# Altium PCB 1166V10.PcbDoc (part 1 of 6) (continued)
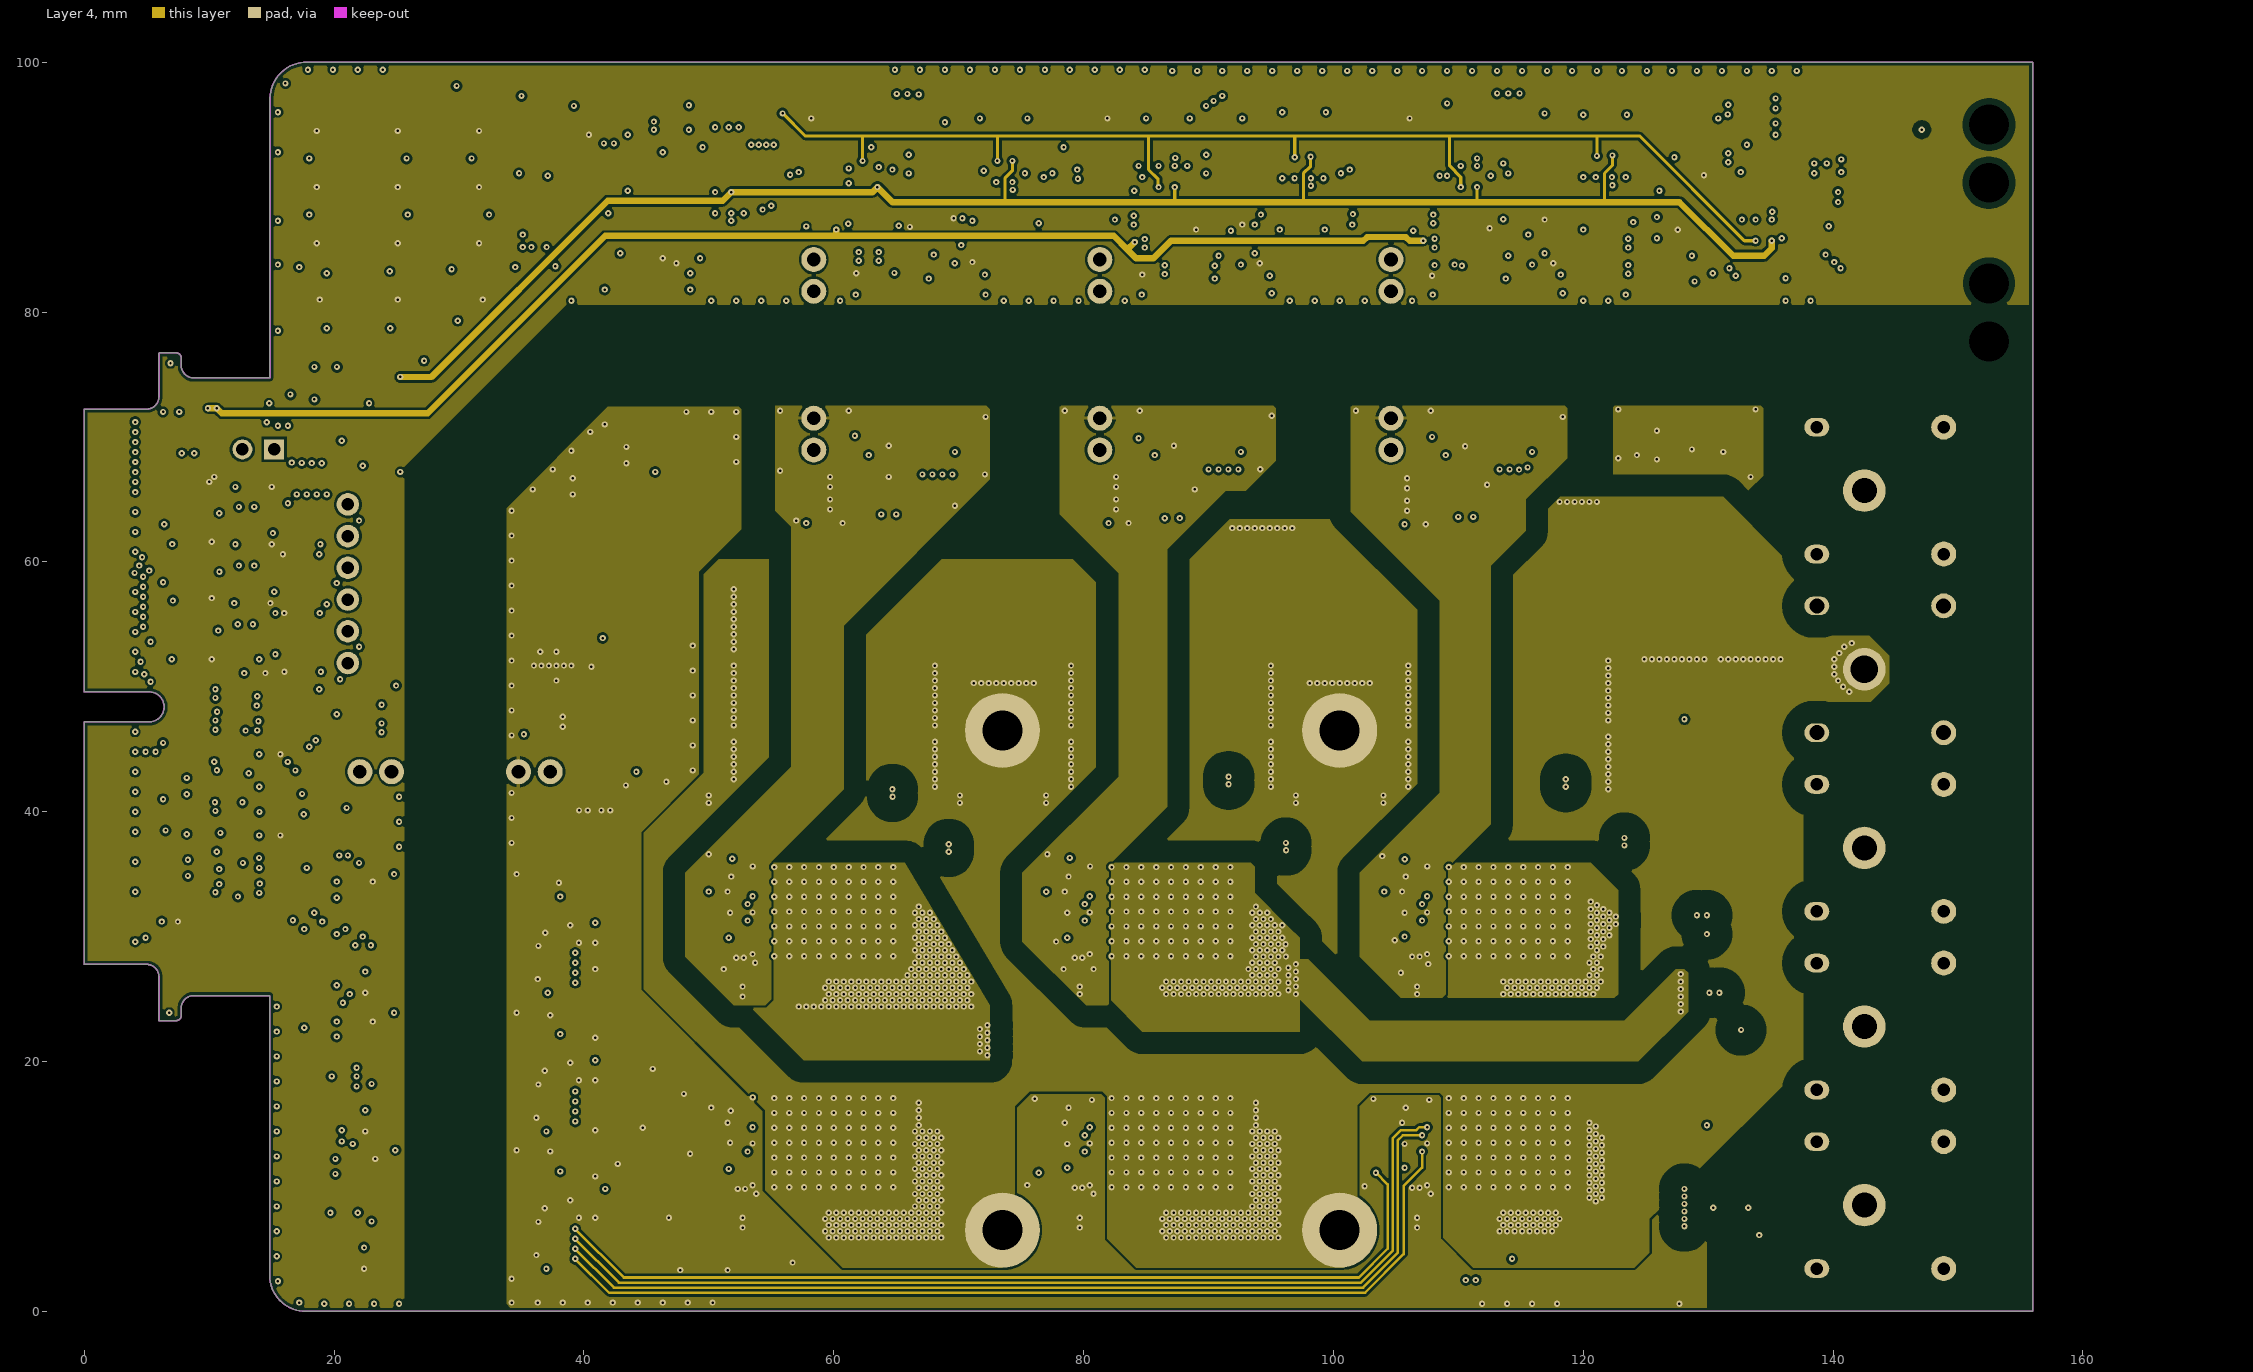
[diagram p5: Layer 4]
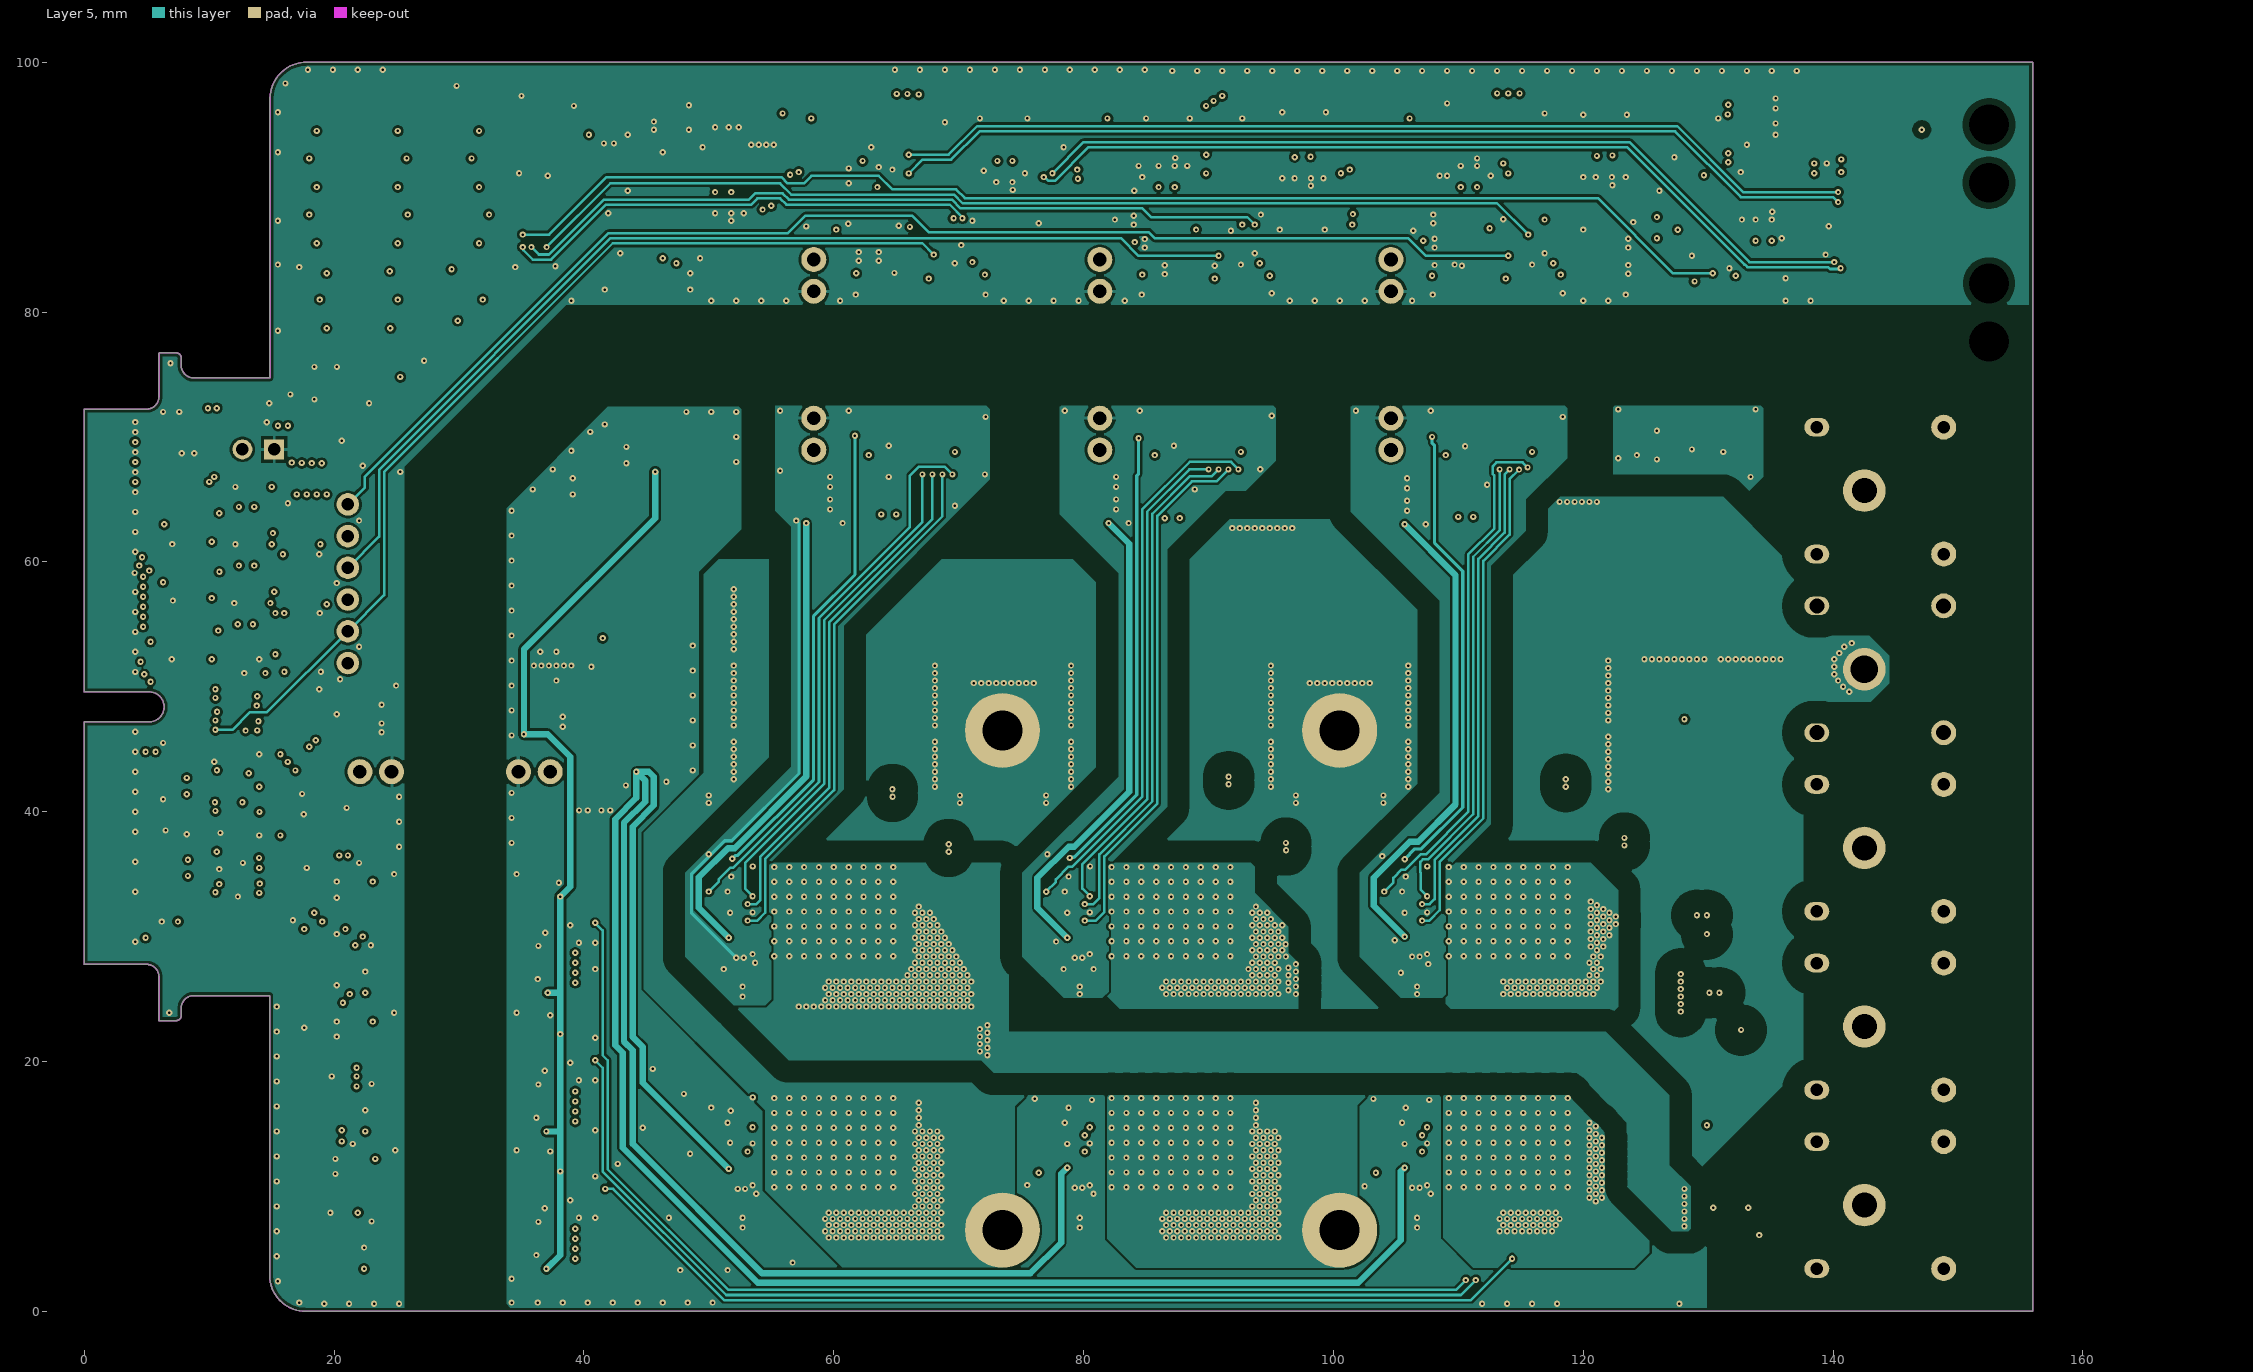
[diagram p6: Layer 5]
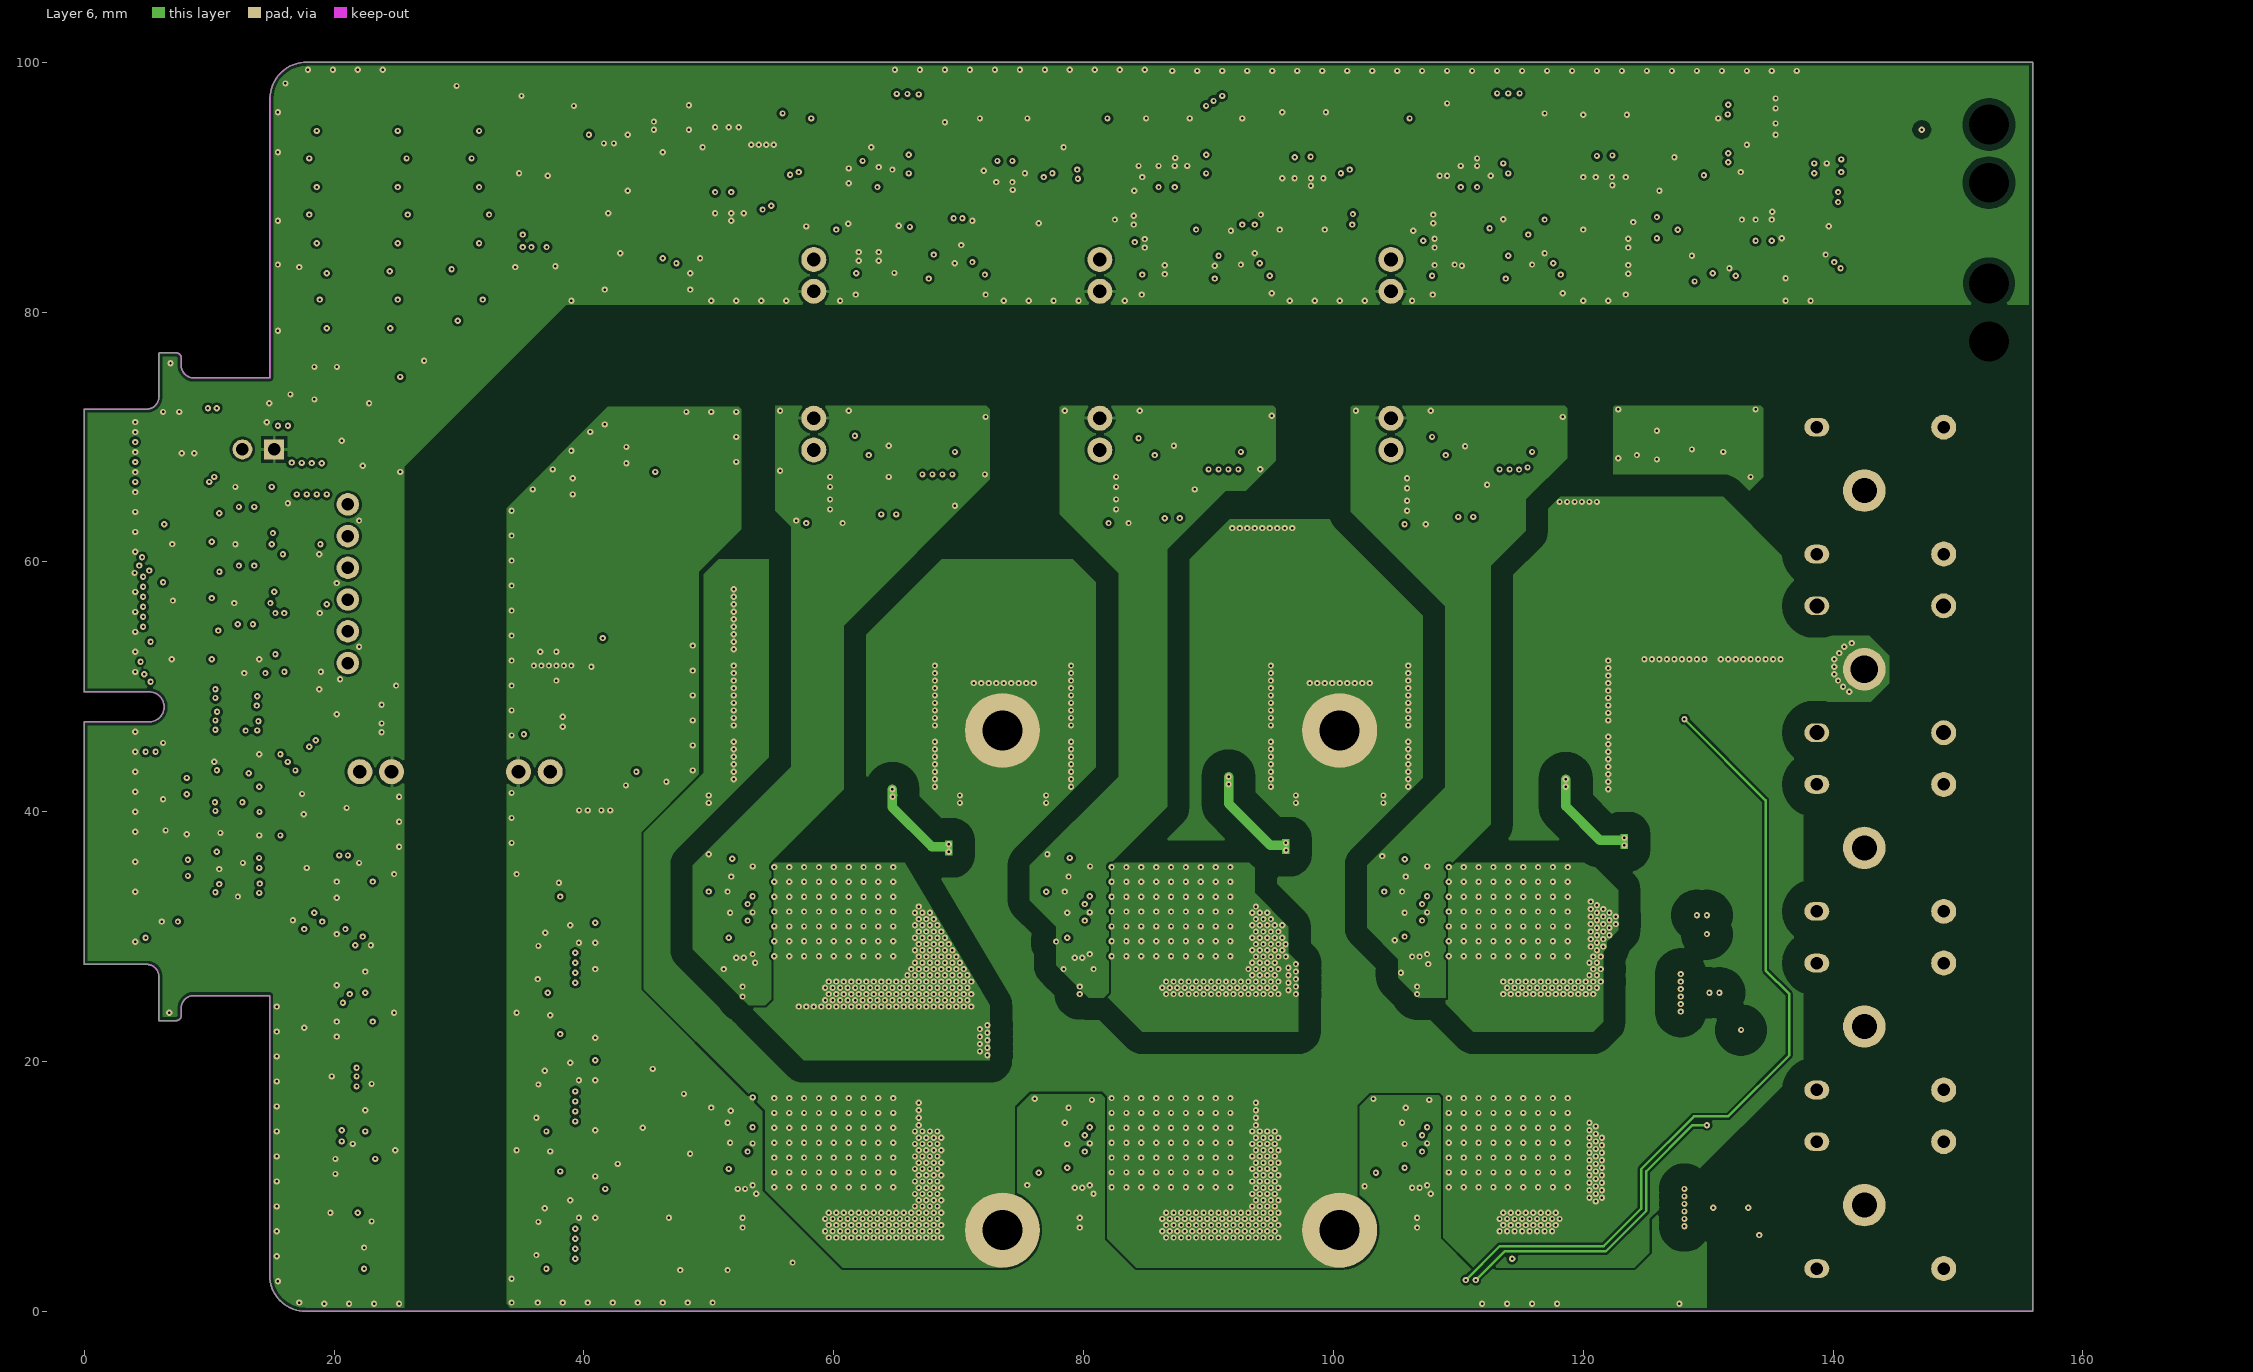
[diagram p7: Layer 6]

## Layer stack, top to bottom
Top Solder: solder mask 0.01, Solder Resist, Dk 3.5
Top Layer: signal copper 0.036
Dielectric 7: prepreg 0.2083, PP-022, Dk 4.5
Layer 1: signal copper 0.035
Dielectric 4: prepreg 0.1803, PP-021, Dk 4.7
Layer 2: signal copper 0.035
Dielectric 1: prepreg 0.1803, PP-021, Dk 4.7
Layer 3: signal copper 0.035
Dielectric 2: prepreg 0.1803, PP-021, Dk 4.7
Layer 4: signal copper 0.035
Dielectric 3: prepreg 0.1803, PP-021, Dk 4.7
Layer 5: signal copper 0.035
Dielectric 5: prepreg 0.1803, PP-021, Dk 4.7
Layer 6: signal copper 0.035
Dielectric 6: prepreg 0.2083, PP-022, Dk 4.5
Bottom Layer: signal copper 0.036
Bottom Solder: solder mask 0.01, Solder Resist, Dk 3.5

## Board outline
0,27.775 4.978,27.775 cw(c4.978,26.775) 5.978,26.775 5.978,23.279 5.982,23.275 7.358,23.275 ccw(c7.358,23.675) 7.758,23.675 7.758,24.275 cw(c8.758,24.275) 8.758,25.275 8.771,25.266 14.831,25.266 14.831,2.9 ccw(c17.731,2.9) 17.731,0 155.972,0 155.972,100 17.831,100 ccw(c17.797,97.066) 14.862,97.1 14.862,74.747 14.822,74.725 8.758,74.725 cw(c8.758,75.725) 7.758,75.725 7.758,76.325 ccw(c7.358,76.325) 7.358,76.725 6,76.725 5.978,76.703 5.978,73.225 cw(c4.978,73.225) 4.978,72.225 0,72.225 -0.009,72.216 -0.009,49.591 5.191,49.591 cw(c5.191,48.391) 5.191,47.191 -0.009,47.191 -0.009,27.784

## Design rules (kind name [scope] priority, off if disabled: settings)
Clearance Clearance_H3_Midlayer [InNetClass('H3') or OnLayer('Layer*') vs not (InNetClass('H3') or InComponent('IC401') or InComponent('IC402') or OnLayer('Keep-Out Layer') or OnLayer('Top Layer') or OnLayer('Bottom Layer'))] p1: gap=1.8 ignorepadtopadclearanceinfootprint=FALSE
Clearance Clearance_H3 [InNetClass('H3') vs not (InNetClass('H3') or InComponent('IC401') or InComponent('IC402') or OnLayer('Keep-Out Layer'))] p2: gap=2.7 ignorepadtopadclearanceinfootprint=FALSE
Clearance Clearance_H2_Midlayer [InNetClass('H2') or OnLayer('Layer*') vs not (InNetClass('H2') or InComponent('IC301')  or InComponent('IC302') or OnLayer('Keep-Out Layer') or OnLayer('Top Layer') or OnLayer('Bottom Layer'))] p3: gap=1.8 ignorepadtopadclearanceinfootprint=FALSE
Clearance Clearance_H2 [InNetClass('H2') vs not (InNetClass('H2') or InComponent('IC301')  or InComponent('IC302') or OnLayer('Keep-Out Layer'))] p4: gap=2.7 ignorepadtopadclearanceinfootprint=FALSE
Clearance Clearance_H1_Midlayer [InNetClass('H1') or OnLayer('Layer*') vs not (InNetClass('H1') or InComponent('IC201') or InComponent('IC202') or OnLayer('Keep-Out Layer') or OnLayer('Top Layer') or OnLayer('Bottom Layer'))] p5: gap=1.8 ignorepadtopadclearanceinfootprint=FALSE
Clearance Clearance_H1 [InNetClass('H1') vs not (InNetClass('H1') or InComponent('IC201') or InComponent('IC202') or OnLayer('Keep-Out Layer'))] p6: gap=2.7 ignorepadtopadclearanceinfootprint=FALSE
Clearance Clearance_L_Midlayer [InNetClass('L') or OnLayer('Layer*') vs not (InNetClass('L') or InComponent('IC204') or InComponent('IC303') or InComponent('IC403') or OnLayer('Keep-Out Layer') or OnLayer('Top Layer') or OnLayer('Bottom Layer'))] p7: gap=1.8 ignorepadtopadclearanceinfootprint=FALSE
Clearance Clearance_L [InNetClass('L') vs not (InNetClass('L') or InComponent('IC204') or InComponent('IC303') or InComponent('IC403') or OnLayer('Keep-Out Layer'))] p8: gap=2.7 ignorepadtopadclearanceinfootprint=FALSE
Clearance Clearance_IC [InComponent('IC102') or InComponent('IC106') or InComponent('IC110')] p9: gap=0.2 ignorepadtopadclearanceinfootprint=FALSE
Clearance Clearance_24V [InNetClass('24V')] p10: gap=0.381 ignorepadtopadclearanceinfootprint=FALSE
Clearance Clearance_FE [InNet('FE*') vs not (OnLayer('Keep-Out Layer') or inComponent('J101'))] p11: gap=0.5 ignorepadtopadclearanceinfootprint=FALSE
Clearance Clearance_KeepOUT [(IsKeepOut)] p12: gap=0.229 ignorepadtopadclearanceinfootprint=FALSE
Clearance [All] p13: gap=0.203 ignorepadtopadclearanceinfootprint=FALSE
ComponentClearance [All] p1: gap=-2 collisioncheckmode=3 verticalgap=-0.254 showdistances=FALSE
DiffPairsRouting [All] p1: maxlimit=0.203 minlimit=0.203 mostfreqgap=0.203 toplayer_minwidth=0.203 toplayer_maxwidth=0.381 toplayer_prefwidth=0.381 midlayer1_minwidth=0.203 midlayer1_maxwidth=0.381 midlayer1_prefwidth=0.381 midlayer2_minwidth=0.203 midlayer2_maxwidth=0.381 midlayer2_prefwidth=0.381 midlayer3_minwidth=0.203 midlayer3_maxwidth=0.381 midlayer3_prefwidth=0.381 midlayer4_minwidth=0.203 midlayer4_maxwidth=0.381 midlayer4_prefwidth=0.381 midlayer5_minwidth=0.203 midlayer5_maxwidth=0.381 midlayer5_prefwidth=0.381 midlayer6_minwidth=0.203 midlayer6_maxwidth=0.381 midlayer6_prefwidth=0.381 bottomlayer_minwidth=0.203 bottomlayer_maxwidth=0.381 bottomlayer_prefwidth=0.381 maxuncoupledlength=12.7
FabricationTestPointUsage TestPointUsage [All] p1: valid=0 allowmultiple=FALSE
FabricationTestpoint Testpoint [All] p1: side=3 testpointundercomponent=TRUE minsize=1.016 maxsize=2.54 preferedsize=1.524 minholesize=0 maxholesize=1.016 preferedholesize=0.813 testpointgrid=0.025 allowsidetop=TRUE allowsidebottom=TRUE usegrid=TRUE gridtolerance=0
Height [All] p1: minheight=0 maxheight=50.8 prefheight=12.7
HoleSize [All] p1: absolutevalues=TRUE maxlimit=25.4 minlimit=0.025 maxpercent=80.000 minpercent=20.000
PlaneConnect [All] p1: planeconnectstyle=Relief reliefexpansion=0.508 reliefentries=4 reliefconductorwidth=0.762 reliefairgap=0.254
PolygonConnect PolygonConnect_direct [InComponent('Q20*') or InComponent('Q30*') or InComponent('Q40*') or InComponent('C521') or InComponent('C522') or InComponent('C523') or InComponent('C524') or InComponent('C525') or InComponent('C526') or InComponent('C527') or InComponent('C402') or InComponent('C403') or InComponent('C404') or InComponent('C405') or InComponent('C302') or InComponent('C303') or InComponent('C304') or InComponent('C305') or InComponent('C202') or InComponent('C203') or InComponent('C204') or InComponent('C205') or InComponent('J50*') or InComponent('R518') or InComponent('J201') or InComponent('R211') or InComponent('J301') or InComponent('R311') or InComponent('J401') or InComponent('R411')  or InComponent('JX10*') or InComponent('R220')  or InComponent('R320')] p1: connectstyle=Direct reliefconductorwidth=0.254 reliefentries=4 polygonreliefangle="90 Angle" airgapwidth=0.254
PolygonConnect PolygonConnect_via [(IsVia)] p2: connectstyle=Direct reliefconductorwidth=0.254 reliefentries=4 polygonreliefangle="90 Angle" airgapwidth=0.254
PolygonConnect [All] p3: connectstyle=Relief reliefconductorwidth=0.254 reliefentries=4 polygonreliefangle="90 Angle" airgapwidth=0.254
RoutingVias [All] p1: holewidth=0.2 width=0.5 viastyle="Through Hole" minholewidth=0.2 minwidth=0.5 maxholewidth=5 maxwidth=5
SilkToSolderMaskClearance SilkscreenOverComponentPads [IsPad] p1: minsilkscreentomaskgap=0.254 clearancetoexposedcopper=TRUE
SolderMaskExpansion SolderMaskExpansion_via [(IsVia)] p1: expansion=-1.016 istentingtop=FALSE
SolderMaskExpansion [All] p2: expansion=0.102 istentingtop=FALSE
Width Width_Trackend [All] p1 off: maxlimit=50.8 minlimit=0.203 preferedwidth=0.203 checkconnectedcopper=TRUE
Width Width_Logo [incomponent('King*')] p2: maxlimit=0.254 minlimit=0.025 preferedwidth=0.254
Width [All] p3: maxlimit=25.4 minlimit=0.203 preferedwidth=0.203
22 further rules are at their usual default settings.

## Classes and differential pairs
component class 1166V10-5: C501 C502 C503 C504 C505 C506 C507 C508 C509 C510 C511 C512 C513 C514 C515 C516 C517 C518 C519 C520 C521 C522 C523 C524 C525 C526 C527 C528 C529 C530 C531 C532 C533 C534 C535 C536 C537 C538 C539 C540 C541 C542 CF501 CF502 CF503 CF504 CF505 CF506 CF507 CF508 CF509 CF510 CF511 CF512 CF513 CF514 IC501 IC502 IC503 IC504 IC505 IC506 IC507 J501 J502 R501 R502 R503 R504 R505 R506 R507 R508 R509 R510 R511 R512 R513 R514 R515 R516 R517 R518 R519 R520 R521 R522 R523 R524 R525 R526 R527 R528 R529 R530 R531 R532 R533 R534 R535 R536 R537 R538 R539 R540 R541 R542 R543 R544 R545 R546 R547
net class H3: 4P5V 4P12V M2W M4 NetC410_1 NetC414_2 NetC415_1 NetC418_1 NetC420_1 NetC420_2 NetCF401_1 NetIC401_11 NetIC401_13 NetIC402_3 NetIC402_4 NetIC402_5 NetIC402_6 NetL403_2 NetQ401_52 SW_L3
net class H2: 3P5V 3P12V M2V M3 NetC310_1 NetC314_2 NetC315_1 NetC318_1 NetC320_1 NetC320_2 NetCF301_1 NetIC301_11 NetIC301_13 NetIC302_3 NetIC302_4 NetIC302_5 NetIC302_6 NetL303_2 NetQ301_52 SW_L2
component class 1166V10-4: C401 C402 C403 C404 C405 C406 C407 C408 C409 C410 C411 C412 C413 C414 C415 C416 C417 C418 C419 C420 C421 C422 C423 C424 C425 C426 C427 C428 C429 C430 C431 C432 CF401 CF402 CF403 CF404 CF405 CF406 CF407 CF408 CF409 CF410 CF411 CF412 D401 D402 D403 D404 D405 D406 IC401 IC402 IC403 IC404 IC405 J401 L401 L402 L403 L404 PS401 Q401 Q402 R401 R402 R403 R404 R405 R406 R407 R408 R409 R410 R411 R412 R413 R414 R415 R416 R417 R418 R419 R420 R421 R422 R423 R424 R425
component class 1166V10-3: C301 C302 C303 C304 C305 C306 C307 C308 C309 C310 C311 C312 C313 C314 C315 C316 C317 C318 C319 C320 C321 C322 C323 C324 C325 C326 C327 C328 C329 C330 C331 C332 CF301 CF302 CF303 CF304 CF305 CF306 CF307 CF308 CF309 CF310 CF311 CF312 D301 D302 D303 D304 D305 D306 IC301 IC302 IC303 IC304 IC305 J301 L301 L302 L303 L304 PS301 Q301 Q302 R301 R302 R303 R304 R305 R306 R307 R308 R309 R310 R311 R312 R313 R314 R315 R316 R317 R318 R319 R320 R321 R322 R323 R324 R325
net class L: 1P5V 1P12V M1 MP NetC226_2 NetC227_1 NetC229_2 NetC230_2 NetC235_2 NetC323_2 NetC324_1 NetC325_2 NetC330_2 NetC423_2 NetC424_1 NetC425_2 NetC430_2 NetC518_2 NetCF205_1 NetIC204_3 NetIC204_4 NetIC204_5 NetIC204_6 NetIC303_3 NetIC303_4 NetIC303_5 NetIC303_6 NetIC403_3 NetIC403_4 NetIC403_5 NetIC403_6 NetL206_2 NetL304_2 NetL404_2 NetQ202_52 NetQ302_52 NetQ402_52
net class H1: 2P5V 2P12V M2 M2U NetC210_2 NetC214_2 NetC215_1 NetC218_1 NetC220_1 NetC220_2 NetCF201_1 NetIC201_11 NetIC201_13 NetIC202_3 NetIC202_4 NetIC202_5 NetIC202_6 NetL203_2 NetQ201_52 SW_L1
component class 1166V10-2: C201 C202 C203 C204 C205 C206 C207 C208 C209 C210 C211 C212 C213 C214 C215 C216 C217 C218 C219 C220 C221 C222 C223 C224 C225 C226 C227 C228 C229 C230 C231 C232 C233 C234 C235 C236 C237 CF201 CF202 CF203 CF204 CF205 CF206 CF207 CF208 CF209 CF210 CF211 CF212 CF213 CF214 CF215 D201 D202 D203 D204 D205 D206 IC201 IC202 IC203 IC204 IC205 IC206 J201 L201 L202 L203 L204 L205 L206 PS201 PS202 Q201 Q202 R201 R202 R203 R204 R205 R206 R207 R208 R209 R210 R211 R212 R213 R214 R215 R216 R217 R218 R219 R220 R221 R222 R223 R224 R225
component class 1166V10-1: C101 C102 C103 C104 C105 C106 C107 C108 C109 CF101 CF102 CF103 CF104 CF105 CF106 CF107 CF108 CF109 CF110 CF111 CF112 CX101 D101 IC101 IC102 IC103 IC104 IC105 IC106 IC107 IC108 IC109 IC110 IC111 IC112 IC113 J101 J102 J103 J104 JX101 JX102 JX103 JX104 KIng101 L101 L102 L103 LP101 P101 PM101 PM102 PM103 PM104 PM105 PM106 R101 R102 R103 R104 RX101 TP101 TP102 TP103 TP104 TP105 TP106

## Components (designator, comment, footprint, x,y, rotation, side; value= is the part's Value field where it differs from the comment)
C101 "10µF/10V" 0805-Cap 42,94.3 r90 top
C102 "100nF" 0603-Cap 43.5,94.8 r90 top
C103 "2µ2F/10V" 0805-Cap 52,93.7 r90 top
C104 "100nF" 0603-Cap 50.5,94.2 r90 top
C105 "47µF/10V" 1210-Cap 54.3,92.6 r90 top
C106 "10µF/10V" 0603-Cap 6.3,71.4 r270 top
C107 "100nF" 0603-Cap 7.6,71.4 r270 top
C108 "10µF/10V" 0603-Cap 7.8,68.1 r270 top
C109 "100nF" 0603-Cap 9.1,68.1 r270 top
C201 "10µF/25V" 0805-Cap 106.6,27.5 r90 bottom
C202 "22nF/1KV" 2220-Cap 117.3,43.6 r0 bottom
C203 "100nF/630V" 2220-Cap 110.7,43.2 r180 bottom
C204 "100nF/630V" 2220-Cap 110.7,49.3 r180 bottom
C205 "1µF/630V" 2220-Cap 117.3,49.7 r0 bottom
C206 "10µF/50V" 1206-Cap 108.8,89.8 r180 bottom
C207 "10µF/50V" 1206-Cap 108.8,87.7 r180 bottom
C208 "100nF" 0603-Cap 105.1,63 r0 bottom
C209 "220nF" 0603-Cap 105.2,34.8 r0 bottom
C210 "2µ2F/25V" 0805-Cap 112.2,25.9 r180 bottom
C211 "100nF" 0603-Cap 115.9,83 r0 bottom
C212 "1µF/25V" 1206-Cap 112.2,85.5 r180 bottom
C213 "1nF" 1206-Cap 112.2,83.4 r180 bottom
C214 "22pF" 0603-Cap 106.3,31.9 r180 bottom
C215 "1µF/25V" 0603-Cap 118.2,68.8 r180 bottom
C216 "1nF" 0603-Cap 118.2,70 r180 bottom
C217 "100nF" 0603-Cap 113.6,70 r0 bottom
C218 "1nF" 1206-Cap 112.2,67.5 r180 bottom
C219 "100nF" 1206-Cap 112.2,69.6 r180 bottom
C220 "8n2F" 0603-Cap 109.8,65.6 r0 bottom
C221 "68pF" 0603-Cap 116.2,84.7 r270 top
C222 "10µF/50V" 1206-Cap 24.6,48.9 r180 bottom
C223 "10µF/50V" 1206-Cap 24.6,46.7 r180 bottom
C224 "100nF" 0603-Cap 43.36,43.2 r270 bottom
C225 "10µF/25V" 0805-Cap 106.6,9 r90 bottom
C226 "220nF" 0603-Cap 105.2,16.3 r0 bottom
C227 "2µ2F/25V" 0805-Cap 110,7.4 r0 bottom
C228 "100nF" 0603-Cap 40.6,54 r270 top
C229 "10nF" 0603-Cap 40.6,47.5 r90 top
C230 "22pF" 0603-Cap 106.3,13.4 r180 bottom
C231 "68pF" 0603-Cap 20.8,11 r0 top
C232 "22pF" 0603-Cap 110.1,95.3 r0 top
C233 "2n2F" 0603-Cap 106.1,93.2 r90 top
C234 "2n2F" 0603-Cap 106.1,90.3 r90 top
C235 "100nF" 0603-Cap 39.6,30.1 r90 bottom
C236 "2n2F" 0603-Cap 106.1,87.4 r90 top
C237 "22pF" 0603-Cap 110,87 r0 top
C301 "10µF/25V" 0805-Cap 79.6,27.4 r90 bottom
C302 "22nF/1KV" 2220-Cap 90.3,43.2 r0 bottom
C303 "100nF/630V" 2220-Cap 83.7,43.2 r180 bottom
C304 "100nF/630V" 2220-Cap 83.7,49.3 r180 bottom
C305 "1µF/630V" 2220-Cap 90.3,49.3 r0 bottom
C306 "10µF/50V" 1206-Cap 84.7,89.7 r180 bottom
C307 "10µF/50V" 1206-Cap 84.7,87.6 r180 bottom
C308 "100nF" 0603-Cap 81.3,63.1 r0 bottom
C309 "220nF" 0603-Cap 78.2,34.8 r0 bottom
C310 "2µ2F/25V" 0805-Cap 83,25.9 r0 bottom
C311 "100nF" 0603-Cap 92.6,83 r0 bottom
C312 "1µF/25V" 1206-Cap 89,85.5 r180 bottom
C313 "1nF" 1206-Cap 89,83.4 r180 bottom
C314 "22pF" 0603-Cap 79.3,31.9 r180 bottom
C315 "1µF/25V" 0603-Cap 94.9,68.8 r180 bottom
C316 "1nF" 0603-Cap 94.9,70 r180 bottom
C317 "100nF" 0603-Cap 90.3,70 r0 bottom
C318 "1nF" 1206-Cap 88.8,69.6 r180 bottom
C319 "100nF" 1206-Cap 88.8,67.5 r180 bottom
C320 "8n2F" 0603-Cap 86.3,65.8 r0 bottom
C321 "68pF" 0603-Cap 93,84.7 r270 top
C322 "10µF/25V" 0805-Cap 79.6,9 r90 bottom
C323 "220nF" 0603-Cap 78.2,16.3 r0 bottom
C324 "2µ2F/25V" 0805-Cap 83,7.4 r0 bottom
C325 "22pF" 0603-Cap 79.3,13.4 r180 bottom
C326 "68pF" 0603-Cap 20.8,22 r0 top
C327 "22pF" 0603-Cap 85.91,95.3 r0 top
C328 "2n2F" 0603-Cap 81.91,93.2 r90 top
C329 "2n2F" 0603-Cap 81.91,90.3 r90 top
C330 "100nF" 0603-Cap 39.6,19.1 r90 bottom
C331 "2n2F" 0603-Cap 81.91,87.4 r90 top
C332 "22pF" 0603-Cap 85.81,87 r0 top
C401 "10µF/25V" 0805-Cap 52.5,27.4 r90 bottom
C402 "22nF/1KV" 2220-Cap 63.4,43.2 r0 bottom
C403 "100nF/630V" 2220-Cap 56.7,49.3 r180 bottom
C404 "100nF/630V" 2220-Cap 56.7,43.2 r180 bottom
C405 "1µF/630V" 2220-Cap 63.4,49.3 r0 bottom
C406 "10µF/50V" 1206-Cap 62.1,89.8 r180 bottom
C407 "10µF/50V" 1206-Cap 62.1,87.7 r180 bottom
C408 "100nF" 0603-Cap 58.4,63.1 r0 bottom
C409 "220nF" 0603-Cap 51.2,34.8 r0 bottom
C410 "2µ2F/25V" 0805-Cap 56,25.9 r0 bottom
C411 "100nF" 0603-Cap 69.7,83 r0 bottom
C412 "1µF/25V" 1206-Cap 66.1,85.5 r180 bottom
C413 "1nF" 1206-Cap 66.1,83.4 r180 bottom
C414 "22pF" 0603-Cap 52.3,31.9 r180 bottom
C415 "1µF/25V" 0603-Cap 72,68.8 r180 bottom
C416 "1nF" 0603-Cap 72,70 r180 bottom
C417 "100nF" 0603-Cap 67.4,70 r0 bottom